# Altium PCB RPlan_LB.PcbDoc (part 2 of 5)
Units mm, origin at the board's own origin, x right, y up, seen from the top; angles counter-clockwise.
Board outline 152.4 x 101.6 mm, 2 copper layers (Top Layer, Bottom Layer); 94 components, 100 nets, 537 pads, 95 vias.
Unrouted connection lines stored in the file: 138.
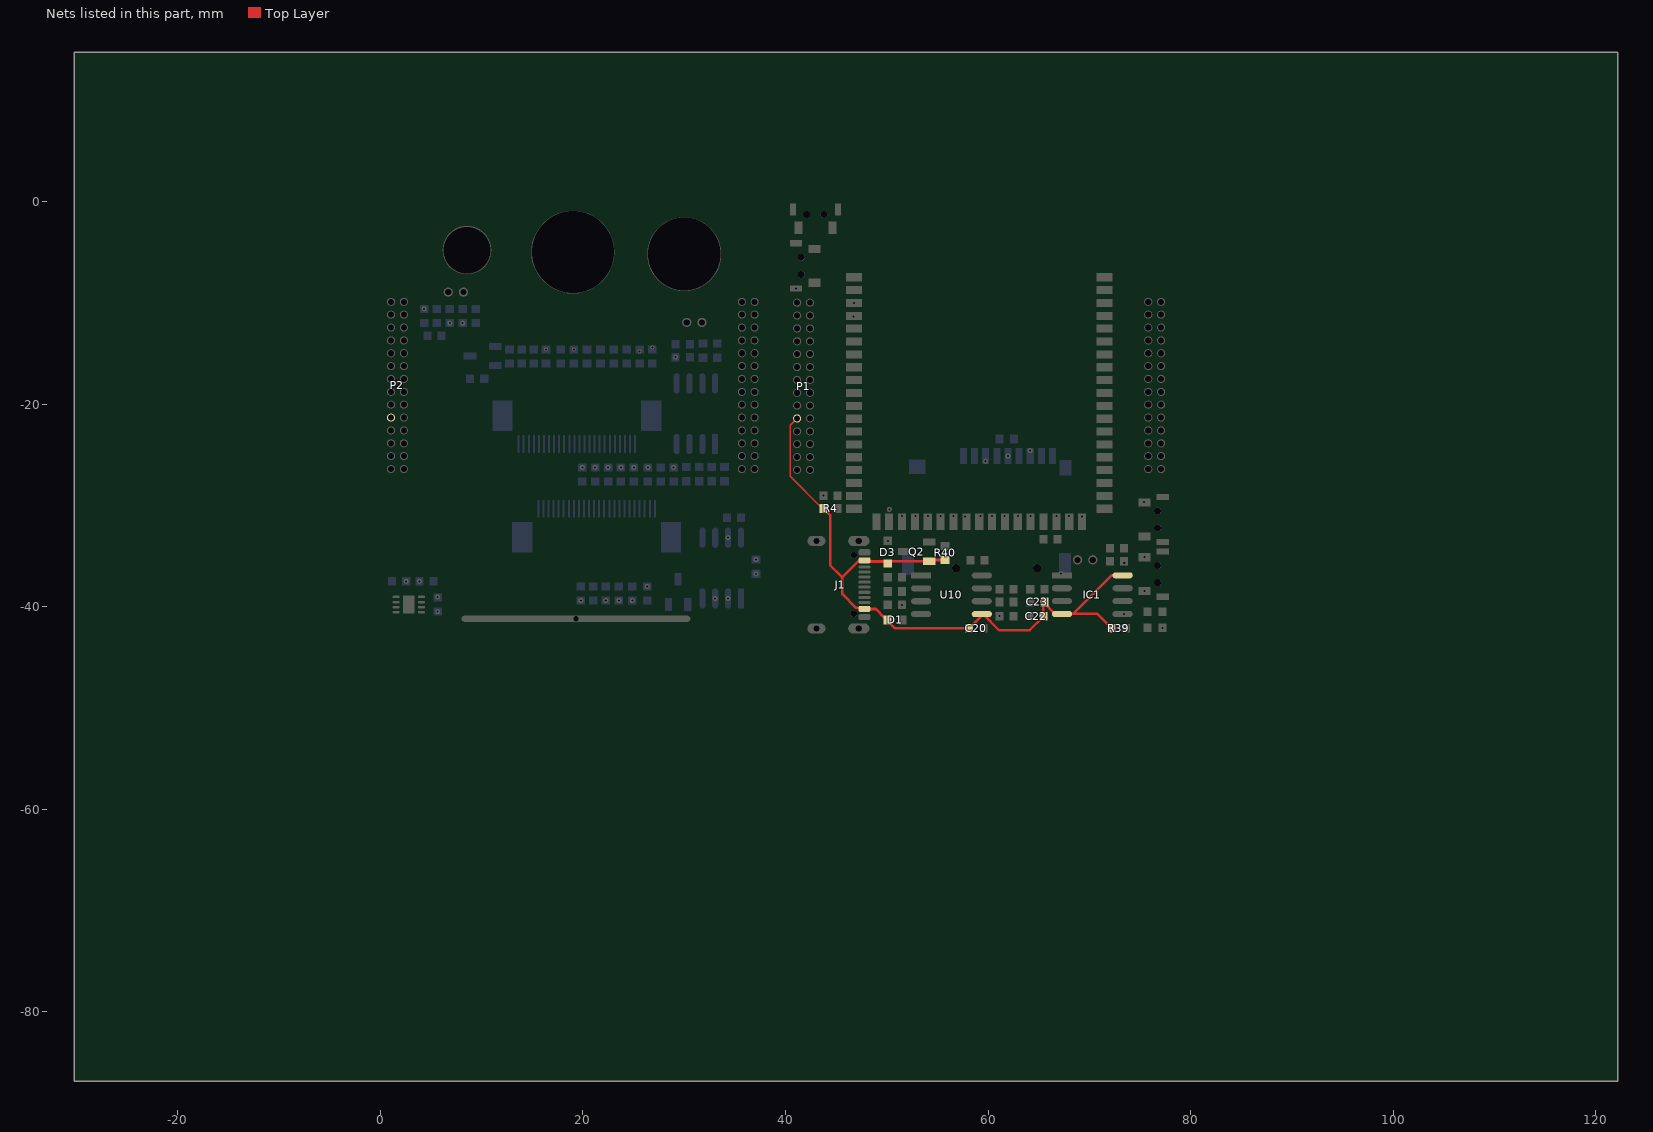
[diagram p2: the nets of this part, all layers, seen from the top]

## Via types
v1: diameter 0.5, hole 0.3, Top Layer to Bottom Layer, 70 vias
v2: diameter 0.4, hole 0.2, Top Layer to Bottom Layer, 25 vias

## Nets (pads, with @x,y where several pads share a name; then routed paths per layer and width w, separated by ;. In a path a pad name is that pad's centre, name@x,y a point inside that pad or via, vN(x,y) a via of type N, cw(c..) or ccw(c..) an arc to the next point about the centre after c; other vN are vias at no path point) (continued)
VUSB: C20.1 C22.2 C23.1 D1.1 D3.1 IC1.4 IC1.8 J1.A4 J1.B4 P1.10 P2.19 Q2.1 R4.2 R39.2 R40.2 U10.5 | length 70.3
  Top Layer w0.18: P1.10@41.148,-21.424 40.472,-22.1 40.472,-27.15 R4.2@43.634,-30.312
  Top Layer w0.254: R4.2@43.634,-30.312 R4.2@43.75,-30.312 44.4,-30.962 44.4,-35.918 45.562,-37.08 ; 45.599,-37.117 47.28,-35.436 J1.A4@47.801,-35.436 47.914,-35.549 49.904,-35.549 D3.1@50.1,-35.745 50.321,-35.524 Q2.1@54.209,-35.524 54.334,-35.399 R40.2@55.753,-35.399 ; 45.622,-37.178 45.622,-38.772 46.974,-40.124 47.689,-40.124 J1.B4@47.801,-40.236 48.914,-40.236 49.785,-41.107 50.1,-41.107 50.1,-41.436 50.82,-42.156 58.355,-42.156 58.355,-41.911 59.385,-40.88 U10.5@59.385,-40.741 59.491,-40.741 61.086,-42.336 64.101,-42.336 C22.2@65.47,-40.967 65.47,-39.564 66.632,-40.726 IC1.4@67.296,-40.726 68.393,-40.726 ; R39.2@72.198,-41.818 R39.2@72.198,-42.123 70.801,-40.726 68.393,-40.726 ; IC1.8@73.29,-36.916 72.203,-36.916 68.393,-40.726
pads on no net: J1.0 J1.A5 J1.A8 J1.B5 J1.B8 R18.1 TF1.1 TF1.2 TF1.8 TF1.9 TF1.NC U3.3 U3.6 U3.9 U4.1 U4.2 U4.24 U5.13 U5.14 U5.15 U5.16 U5.17 U5.18 U5.19 U5.20 U5.21 U5.22 U7.0 U8.0 U9.0 U10.4 U11.0
copper on no net: | length 3263.5
  Top Layer w0.025: 0.36,-2.926 0.487,-2.926 ; 0.36,-2.901 0.487,-2.901 ; 0.36,-2.875 0.487,-2.875 ; 0.36,-2.825 0.487,-2.825 ; 0.36,-2.799 0.487,-2.799 ; 0.36,-2.774 0.487,-2.774 ; 0.36,-2.748 0.487,-2.748 ; 0.36,-2.723 0.487,-2.723 ; 0.36,-2.698 0.487,-2.698 ; 0.36,-2.672 0.487,-2.672 ; 0.36,-2.647 0.487,-2.647 ; 0.36,-2.621 0.487,-2.621 ; 0.36,-2.596 0.487,-2.596 ; 0.36,-2.571 0.487,-2.571 ; 0.385,-3.104 0.487,-3.104 ; 0.385,-3.079 0.487,-3.079 ; 0.385,-3.053 0.487,-3.053 ; 0.385,-3.028 0.487,-3.028 ; 0.385,-3.002 0.487,-3.002 ; 0.385,-2.977 0.487,-2.977 ; 0.385,-2.952 0.487,-2.952 ; 0.385,-2.85 0.487,-2.85 ; 0.385,-2.545 0.487,-2.545 ; 0.385,-2.52 0.487,-2.52 ; 0.385,-2.494 0.487,-2.494 ; 0.41,-3.206 0.487,-3.206 ; 0.41,-3.18 0.487,-3.18 ; 0.41,-3.155 0.487,-3.155 ; 0.41,-3.129 0.487,-3.129 ; 0.41,-2.469 0.487,-2.469 ; 0.41,-2.444 0.512,-2.444 ; 0.436,-3.46 0.537,-3.46 ; 0.436,-3.434 0.537,-3.434 ; 0.436,-3.409 0.537,-3.409 ; 0.436,-3.383 0.537,-3.383 ; 0.436,-3.358 0.537,-3.358 ; 0.436,-3.333 0.512,-3.333 ; 0.436,-3.307 0.512,-3.307 ; 0.436,-3.282 0.512,-3.282 ; 0.436,-3.256 0.512,-3.256 ; 0.436,-3.231 0.487,-3.231 ; 0.436,-2.418 0.512,-2.418 ; 0.436,-2.393 0.537,-2.393 ; 0.436,-2.367 0.537,-2.367 ; 0.461,-3.51 0.537,-3.51 ; 0.461,-3.485 0.537,-3.485 ; 0.487,-3.688 0.588,-3.688 ; 0.487,-3.663 0.588,-3.663 ; 0.487,-3.637 0.588,-3.637 ; 0.487,-3.612 0.563,-3.612 ; 0.487,-3.587 0.563,-3.587 ; 0.487,-3.561 0.563,-3.561 ; 0.487,-3.536 0.537,-3.536 ; 0.487,-2.342 0.664,-2.342 ; 0.487,-2.317 0.69,-2.317 ; 0.512,-3.714 0.588,-3.714 ; 0.512,-2.291 0.715,-2.291 ; 0.537,-3.841 0.639,-3.841 ; 0.537,-3.815 0.639,-3.815 ; 0.537,-3.79 0.639,-3.79 ; 0.537,-3.764 0.614,-3.764 ; 0.537,-3.739 0.588,-3.739 ; 0.537,-2.266 0.715,-2.266 ; 0.537,-2.24 0.715,-2.24 ; 0.563,-3.891 0.664,-3.891 ; 0.563,-3.866 0.639,-3.866 ; 0.563,-2.215 0.715,-2.215 ; 0.563,-2.19 0.715,-2.19 ; 0.588,-3.968 0.715,-3.968 ; 0.588,-3.942 0.715,-3.942 ; 0.588,-3.917 0.69,-3.917 ; 0.588,-2.469 0.715,-2.469 ; 0.588,-2.444 0.715,-2.444 ; 0.588,-2.418 0.69,-2.418 ; 0.588,-2.393 0.69,-2.393 ; 0.588,-2.367 0.664,-2.367 ; 0.588,-2.164 0.715,-2.164 ; 0.588,-2.139 0.715,-2.139 ; 0.588,-2.113 0.715,-2.113 ; 0.588,-2.088 0.715,-2.088 ; 0.588,-2.063 0.766,-2.063 ; 0.588,-2.037 0.766,-2.037 ; 0.614,-2.52 0.741,-2.52 ; 0.614,-2.494 0.715,-2.494 ; 0.614,-1.859 0.766,-1.859 ; 0.639,-4.044 0.766,-4.044 ; 0.639,-4.018 0.741,-4.018 ; 0.639,-3.993 0.741,-3.993 ; 0.639,-2.571 0.893,-2.571 ; 0.639,-2.545 0.766,-2.545 ; 0.639,-2.012 0.766,-2.012 ; 0.639,-1.986 0.766,-1.986 ; 0.639,-1.961 0.766,-1.961 ; 0.639,-1.936 0.766,-1.936 ; 0.639,-1.91 0.766,-1.91 ; 0.639,-1.885 0.741,-1.885 ; 0.639,-1.834 0.791,-1.834 ; 0.639,-1.809 0.817,-1.809 ; 0.639,-1.783 0.817,-1.783 ; 0.664,-4.069 0.766,-4.069 ; 0.664,-1.758 0.842,-1.758 ; 0.69,-4.095 0.791,-4.095 ; 0.69,-2.596 0.868,-2.596 ; 0.715,-4.171 0.817,-4.171 ; 0.715,-4.145 0.817,-4.145 ; 0.715,-4.12 0.817,-4.12 ; 0.715,-2.621 0.868,-2.621 ; 0.741,-4.196 0.817,-4.196 ; 0.766,-4.247 0.868,-4.247 ; 0.766,-4.222 0.868,-4.222 ; 0.766,-2.647 0.995,-2.647 ; 0.766,-1.732 0.868,-1.732 ; 0.766,-1.707 1.172,-1.707 ; 0.766,-1.682 0.969,-1.682 ; 0.766,-1.656 0.944,-1.656 ; 0.791,-2.672 1.071,-2.672 ; 0.791,-1.631 0.944,-1.631 ; 0.817,-4.298 0.944,-4.298 ; 0.817,-4.272 0.918,-4.272 ; 0.817,-2.545 0.918,-2.545 ; 0.817,-2.52 0.995,-2.52 ; 0.817,-2.494 1.02,-2.494 ; 0.817,-2.469 1.02,-2.469 ; 0.817,-2.012 0.918,-2.012 ; 0.817,-1.986 0.918,-1.986 ; 0.817,-1.961 0.918,-1.961 ; 0.817,-1.936 0.944,-1.936 ; 0.817,-1.91 0.969,-1.91 ; 0.817,-1.605 0.944,-1.605 ; 0.817,-1.58 0.944,-1.58 ; 0.842,-4.323 0.969,-4.323 ; 0.842,-2.444 1.02,-2.444 ; 0.842,-2.037 0.918,-2.037 ; 0.842,-1.885 0.995,-1.885 ; 0.842,-1.859 0.995,-1.859 ; 0.842,-1.555 1.045,-1.555 ; 0.868,-4.349 0.995,-4.349 ; 0.868,-2.698 1.299,-2.698 ; 0.868,-2.418 1.02,-2.418 ; 0.868,-2.063 0.918,-2.063 ; 0.868,-1.834 0.995,-1.834 ; 0.868,-1.529 1.071,-1.529 ; 0.868,-1.504 1.096,-1.504 ; 0.893,-4.399 1.045,-4.399 ; 0.893,-4.374 1.02,-4.374 ; 0.893,-1.809 0.995,-1.809 ; 0.918,-4.425 1.071,-4.425 ; 0.918,-2.723 1.325,-2.723 ; 0.918,-2.393 1.045,-2.393 ; 0.918,-2.367 1.045,-2.367 ; 0.918,-2.342 1.096,-2.342 ; 0.918,-1.783 1.147,-1.783 ; 0.918,-1.758 1.147,-1.758 ; 0.918,-1.732 1.147,-1.732 ; 0.918,-1.478 1.096,-1.478 ; 0.944,-2.317 1.096,-2.317 ; 0.969,-4.45 1.096,-4.45 ; 0.969,-2.291 1.096,-2.291 ; 0.969,-1.453 1.122,-1.453 ; 0.995,-4.476 1.096,-4.476 ; 0.995,-2.266 1.096,-2.266 ; 0.995,-1.428 1.147,-1.428 ; 1.02,-4.501 1.147,-4.501 ; 1.02,-1.402 1.274,-1.402 ; 1.045,-4.526 1.147,-4.526 ; 1.045,-1.682 1.198,-1.682 ; 1.045,-1.377 1.274,-1.377 ; 1.045,-1.351 1.274,-1.351 ; 1.071,-2.748 1.604,-2.748 ; 1.071,-1.656 1.223,-1.656 ; 1.096,-4.577 1.274,-4.577 ; 1.096,-4.552 1.249,-4.552 ; 1.096,-1.809 1.147,-1.809 ; 1.096,-1.631 1.223,-1.631 ; 1.096,-1.326 1.274,-1.326 ; 1.122,-2.774 1.731,-2.774 ; 1.122,-1.605 1.223,-1.605 ; 1.122,-1.58 1.249,-1.58 ; 1.122,-1.301 1.274,-1.301 ; 1.147,-4.603 1.325,-4.603 ; 1.147,-1.555 1.274,-1.555 ; 1.147,-1.529 1.274,-1.529 ; 1.147,-1.504 1.376,-1.504 ; 1.147,-1.275 1.299,-1.275 ; 1.172,-4.628 1.35,-4.628 ; 1.172,-2.799 1.858,-2.799 ; 1.172,-1.478 1.376,-1.478 ; 1.172,-1.25 1.325,-1.25 ; 1.198,-1.224 1.553,-1.224 ; 1.223,-1.199 1.553,-1.199 ; 1.249,-4.653 1.426,-4.653 ; 1.249,-1.453 1.477,-1.453 ; 1.249,-1.174 1.706,-1.174 ; 1.274,-4.679 1.426,-4.679 ; 1.274,-2.012 1.401,-2.012 ; 1.274,-1.986 1.426,-1.986 ; 1.274,-1.961 1.426,-1.961 ; 1.274,-1.936 1.452,-1.936 ; 1.274,-1.428 1.477,-1.428 ; 1.274,-1.148 1.706,-1.148 ; 1.299,-4.704 1.477,-4.704 ; 1.299,-2.037 1.376,-2.037 ; 1.299,-1.91 1.426,-1.91 ; 1.325,-2.063 1.376,-2.063 ; 1.325,-1.885 1.426,-1.885 ; 1.325,-1.859 1.426,-1.859 ; 1.325,-1.402 1.477,-1.402 ; 1.325,-1.377 1.477,-1.377 ; 1.35,-4.73 1.579,-4.73 ; 1.376,-4.755 1.604,-4.755 ; 1.376,-1.834 1.553,-1.834 ; 1.376,-1.809 1.579,-1.809 ; 1.376,-1.351 1.452,-1.351 ; 1.401,-2.825 2.341,-2.825 ; 1.401,-1.783 1.604,-1.783 ; 1.426,-1.758 1.604,-1.758 ; 1.426,-1.25 1.528,-1.25 ; 1.452,-2.85 2.417,-2.85 ; 1.452,-1.275 1.477,-1.275 ; 1.477,-4.78 1.731,-4.78 ; 1.477,-1.732 1.63,-1.732 ; 1.477,-1.123 1.731,-1.123 ; 1.477,-1.097 1.757,-1.097 ; 1.503,-4.806 1.757,-4.806 ; 1.503,-1.707 1.655,-1.707 ; 1.528,-1.682 1.655,-1.682 ; 1.528,-1.072 1.782,-1.072 ; 1.553,-1.656 1.655,-1.656 ; 1.579,-4.907 1.655,-4.907 ; 1.579,-4.882 1.655,-4.882 ; 1.579,-4.831 1.96,-4.831 ; 1.579,-1.631 1.63,-1.631 ; 1.604,-5.034 1.706,-5.034 ; 1.604,-5.009 1.706,-5.009 ; 1.604,-4.984 1.706,-4.984 ; 1.604,-4.958 1.68,-4.958 ; 1.604,-4.933 1.655,-4.933 ; 1.604,-4.857 2.061,-4.857 ; 1.604,-2.444 1.655,-2.444 ; 1.604,-2.418 1.655,-2.418 ; 1.604,-2.393 1.655,-2.393 ; 1.604,-2.367 1.68,-2.367 ; 1.604,-2.342 1.807,-2.342 ; 1.604,-2.317 1.807,-2.317 ; 1.604,-1.504 1.706,-1.504 ; 1.604,-1.478 1.706,-1.478 ; 1.604,-1.453 1.807,-1.453 ; 1.604,-1.428 1.833,-1.428 ; 1.63,-2.291 1.833,-2.291 ; 1.63,-1.402 1.833,-1.402 ; 1.63,-1.047 2.011,-1.047 ; 1.655,-5.085 1.782,-5.085 ; 1.655,-5.06 1.757,-5.06 ; 1.655,-2.266 1.833,-2.266 ; 1.655,-1.377 1.833,-1.377 ; 1.655,-1.021 2.036,-1.021 ; 1.68,-2.24 1.833,-2.24 ; 1.68,-1.351 1.833,-1.351 ; 1.706,-5.136 1.884,-5.136 ; 1.706,-5.111 1.858,-5.111 ; 1.706,-2.215 1.833,-2.215 ; 1.706,-2.19 1.833,-2.19 ; 1.706,-2.164 1.858,-2.164 ; 1.706,-1.326 1.833,-1.326 ; 1.706,-1.301 1.858,-1.301 ; 1.706,-0.996 2.061,-0.996 ; 1.731,-2.139 1.884,-2.139 ; 1.731,-0.97 2.087,-0.97 ; 1.757,-5.161 1.985,-5.161 ; 1.757,-2.113 1.884,-2.113 ; 1.757,-1.275 1.909,-1.275 ; 1.782,-5.187 2.061,-5.187 ; 1.782,-2.875 3.763,-2.875 ; 1.782,-2.088 1.884,-2.088 ; 1.782,-1.25 1.909,-1.25 ; 1.807,-4.882 3.408,-4.882 ; 1.858,-4.907 3.357,-4.907 ; 1.884,-5.212 2.239,-5.212 ; 1.909,-5.238 2.29,-5.238 ; 1.909,-1.072 2.011,-1.072 ; 1.934,-5.263 2.442,-5.263 ; 1.934,-1.097 1.985,-1.097 ; 1.985,-0.945 2.29,-0.945 ; 2.011,-2.901 3.585,-2.901 ; 2.011,-0.92 3.103,-0.92 ; 2.061,-0.894 2.874,-0.894 ; 2.087,-5.288 3.306,-5.288 ; 2.087,-0.869 2.112,-0.869 ; 2.112,-4.933 3.128,-4.933 ; 2.112,-0.97 2.239,-0.97 ; 2.138,-5.314 3.255,-5.314 ; 2.138,-0.996 2.214,-0.996 ; 2.163,-4.958 3.027,-4.958 ; 2.188,-0.869 2.671,-0.869 ; 2.29,-0.843 2.315,-0.843 ; 2.315,-4.984 2.849,-4.984 ; 2.315,-0.945 2.519,-0.945 ; 2.366,-0.97 2.442,-0.97 ; 2.392,-0.996 2.442,-0.996 ; 2.519,-0.843 2.544,-0.843 ; 2.544,-0.945 3.128,-0.945 ; 2.595,-5.339 2.823,-5.339 ; 2.62,-0.97 2.773,-0.97 ; 2.646,-0.996 2.722,-0.996 ; 2.747,-0.869 2.823,-0.869 ; 2.823,-0.97 3.382,-0.97 ; 2.849,-0.996 3.662,-0.996 ; 2.874,-4.984 2.925,-4.984 ; 2.874,-1.021 2.976,-1.021 ; 2.9,-1.047 2.95,-1.047 ; 2.976,-5.263 3.433,-5.263 ; 3.052,-1.021 3.712,-1.021 ; 3.077,-5.238 3.484,-5.238 ; 3.103,-1.047 3.204,-1.047 ; 3.154,-2.85 4.017,-2.85 ; 3.179,-5.212 3.509,-5.212 ; 3.179,-4.857 3.611,-4.857 ; 3.204,-0.945 3.255,-0.945 ; 3.255,-4.831 3.636,-4.831 ; 3.281,-1.047 3.738,-1.047 ; 3.306,-2.825 4.068,-2.825 ; 3.306,-1.072 3.484,-1.072 ; 3.331,-1.123 3.458,-1.123 ; 3.331,-1.097 3.458,-1.097 ; 3.357,-5.187 3.585,-5.187 ; 3.382,-5.161 3.611,-5.161 ; 3.382,-1.148 3.433,-1.148 ; 3.458,-0.97 3.611,-0.97 ; 3.484,-4.806 3.839,-4.806 ; 3.509,-5.136 3.662,-5.136 ; 3.509,-4.78 3.839,-4.78 ; 3.535,-5.111 3.687,-5.111 ; 3.585,-1.072 3.89,-1.072 ; 3.611,-5.085 3.738,-5.085 ; 3.611,-5.06 3.763,-5.06 ; 3.611,-1.123 3.941,-1.123 ; 3.611,-1.097 3.916,-1.097 ; 3.636,-1.148 3.941,-1.148 ; 3.662,-5.034 3.789,-5.034 ; 3.662,-4.755 3.916,-4.755 ; 3.662,-1.174 3.763,-1.174 ; 3.687,-5.009 3.789,-5.009 ; 3.712,-4.984 3.814,-4.984 ; 3.712,-4.73 3.941,-4.73 ; 3.712,-2.799 4.195,-2.799 ; 3.738,-4.958 3.814,-4.958 ; 3.738,-4.933 3.839,-4.933 ; 3.738,-4.907 3.839,-4.907 ; 3.763,-4.882 3.839,-4.882 ; 3.763,-4.857 3.839,-4.857 ; 3.763,-4.831 3.839,-4.831 ; 3.789,-2.317 3.941,-2.317 ; 3.789,-2.291 3.941,-2.291 ; 3.789,-2.266 3.916,-2.266 ; 3.814,-4.704 4.043,-4.704 ; 3.814,-2.774 4.271,-2.774 ; 3.814,-2.342 3.966,-2.342 ; 3.839,-4.679 4.068,-4.679 ; 3.839,-2.444 4.068,-2.444 ; 3.839,-2.418 4.043,-2.418 ; 3.839,-2.393 4.017,-2.393 ; 3.839,-2.367 3.992,-2.367 ; 3.839,-1.224 4.068,-1.224 ; 3.839,-1.199 4.043,-1.199 ; 3.839,-1.174 3.966,-1.174 ; 3.865,-4.653 4.093,-4.653 ; 3.89,-2.748 4.347,-2.748 ; 3.89,-1.25 4.068,-1.25 ; 3.916,-2.469 4.068,-2.469 ; 3.941,-4.628 4.17,-4.628 ; 3.941,-2.545 4.068,-2.545 ; 3.941,-2.52 4.068,-2.52 ; 3.941,-2.494 4.068,-2.494 ; 3.941,-1.301 4.246,-1.301 ; 3.941,-1.275 4.144,-1.275 ; 3.966,-2.571 4.068,-2.571 ; 3.966,-1.377 4.093,-1.377 ; 3.966,-1.351 4.474,-1.351 ; 3.966,-1.326 4.297,-1.326 ; 3.992,-4.603 4.17,-4.603 ; 3.992,-1.402 4.068,-1.402 ; 4.068,-4.577 4.246,-4.577 ; 4.093,-4.552 4.271,-4.552 ; 4.119,-2.723 4.474,-2.723 ; 4.119,-2.012 4.297,-2.012 ; 4.119,-1.986 4.297,-1.986 ; 4.119,-1.961 4.246,-1.961 ; 4.119,-1.732 4.398,-1.732 ; 4.119,-1.707 4.373,-1.707 ; 4.119,-1.377 4.5,-1.377 ; 4.144,-2.698 4.5,-2.698 ; 4.144,-1.936 4.22,-1.936 ; 4.17,-4.526 4.347,-4.526 ; 4.17,-4.501 4.347,-4.501 ; 4.17,-1.682 4.347,-1.682 ; 4.17,-1.656 4.322,-1.656 ; 4.17,-1.428 4.5,-1.428 ; 4.17,-1.402 4.5,-1.402 ; 4.195,-1.631 4.271,-1.631 ; 4.195,-1.453 4.347,-1.453 ; 4.22,-2.113 4.398,-2.113 ; 4.22,-2.088 4.398,-2.088 ; 4.22,-2.063 4.347,-2.063 ; 4.22,-2.037 4.322,-2.037 ; 4.22,-1.478 4.297,-1.478 ; 4.246,-4.476 4.398,-4.476 ; 4.246,-1.504 4.271,-1.504 ; 4.297,-4.45 4.424,-4.45 ; 4.297,-2.19 4.424,-2.19 ; 4.297,-2.164 4.398,-2.164 ; 4.297,-2.139 4.398,-2.139 ; 4.297,-1.758 4.398,-1.758 ; 4.322,-4.425 4.449,-4.425 ; 4.322,-2.672 4.627,-2.672 ; 4.322,-2.24 4.449,-2.24 ; 4.322,-2.215 4.449,-2.215 ; 4.322,-1.809 4.424,-1.809 ; 4.322,-1.783 4.398,-1.783 ; 4.347,-4.399 4.474,-4.399 ; 4.347,-2.266 4.474,-2.266 ; 4.347,-1.885 4.5,-1.885 ; 4.347,-1.859 4.5,-1.859 ; 4.347,-1.834 4.449,-1.834 ; 4.347,-1.326 4.449,-1.326 ; 4.373,-4.374 4.5,-4.374 ; 4.373,-2.291 4.474,-2.291 ; 4.398,-4.349 4.551,-4.349 ; 4.398,-2.647 4.678,-2.647 ; 4.398,-2.342 4.474,-2.342 ; 4.398,-2.317 4.5,-2.317 ; 4.398,-1.453 4.525,-1.453 ; 4.424,-4.323 4.576,-4.323 ; 4.424,-1.91 4.525,-1.91 ; 4.424,-1.504 4.627,-1.504 ; 4.424,-1.478 4.576,-1.478 ; 4.449,-4.298 4.601,-4.298 ; 4.449,-2.012 4.5,-2.012 ; 4.449,-1.986 4.525,-1.986 ; 4.449,-1.961 4.525,-1.961 ; 4.449,-1.936 4.525,-1.936 ; 4.449,-1.555 4.652,-1.555 ; 4.449,-1.529 4.627,-1.529 ; 4.474,-4.272 4.627,-4.272 ; 4.525,-4.247 4.652,-4.247 ; 4.525,-2.621 4.779,-2.621 ; 4.525,-1.58 4.678,-1.58 ; 4.551,-4.222 4.678,-4.222 ; 4.551,-2.596 4.805,-2.596 ; 4.551,-1.605 4.678,-1.605 ; 4.576,-4.196 4.678,-4.196 ; 4.576,-1.732 4.805,-1.732 ; 4.576,-1.707 4.779,-1.707 ; 4.576,-1.682 4.728,-1.682 ; 4.576,-1.656 4.703,-1.656 ; 4.576,-1.631 4.703,-1.631 ; 4.601,-4.171 4.703,-4.171 ; 4.627,-4.145 4.728,-4.145 ; 4.627,-4.12 4.728,-4.12 ; 4.652,-4.095 4.754,-4.095 ; 4.652,-2.571 4.881,-2.571 ; 4.652,-1.758 4.83,-1.758 ; 4.678,-4.069 4.779,-4.069 ; 4.678,-4.044 4.805,-4.044 ; 4.678,-2.545 4.906,-2.545 ; 4.678,-1.783 4.855,-1.783 ; 4.703,-1.961 4.957,-1.961 ; 4.703,-1.936 4.957,-1.936 ; 4.703,-1.91 4.932,-1.91 ; 4.728,-4.018 4.83,-4.018 ; 4.728,-3.993 4.855,-3.993 ; 4.728,-1.986 4.957,-1.986 ; 4.728,-1.885 4.906,-1.885 ; 4.728,-1.859 4.906,-1.859 ; 4.728,-1.834 4.855,-1.834 ; 4.728,-1.809 4.855,-1.809 ; 4.754,-3.968 4.855,-3.968 ; 4.754,-3.942 4.855,-3.942 ; 4.754,-2.52 4.932,-2.52 ; 4.754,-2.012 4.779,-2.012 ; 4.779,-3.917 4.906,-3.917 ; 4.779,-2.494 4.957,-2.494 ; 4.805,-3.891 4.906,-3.891 ; 4.805,-2.469 4.982,-2.469 ; 4.83,-3.866 4.906,-3.866 ; 4.83,-2.012 4.957,-2.012 ; 4.855,-3.841 4.932,-3.841 ; 4.855,-3.815 4.957,-3.815 ; 4.855,-3.79 4.957,-3.79 ; 4.855,-3.764 4.957,-3.764 ; 4.855,-2.444 5.008,-2.444 ; 4.855,-2.164 5.033,-2.164 ; 4.855,-2.139 5.008,-2.139 ; 4.855,-2.113 5.008,-2.113 ; 4.855,-2.088 5.008,-2.088 ; 4.855,-2.037 4.982,-2.037 ; 4.881,-3.739 4.957,-3.739 ; 4.881,-2.418 5.008,-2.418 ; 4.881,-2.19 5.059,-2.19 ; 4.881,-2.063 5.008,-2.063 ; 4.906,-3.714 4.982,-3.714 ; 4.906,-3.688 5.008,-3.688 ; 4.906,-3.663 5.008,-3.663 ; 4.906,-2.393 5.008,-2.393 ; 4.906,-2.367 5.135,-2.367 ; 4.906,-2.215 5.059,-2.215 ; 4.932,-3.637 5.008,-3.637 ; 4.932,-3.612 5.008,-3.612 ; 4.932,-2.24 5.084,-2.24 ; 4.957,-3.587 5.033,-3.587 ; 4.957,-3.561 5.033,-3.561 ; 4.957,-3.536 5.059,-3.536 ; 4.957,-3.51 5.059,-3.51 ; 4.957,-3.485 5.059,-3.485 ; 4.957,-2.342 5.135,-2.342 ; 4.957,-2.317 5.135,-2.317 ; 4.957,-2.291 5.135,-2.291 ; 4.957,-2.266 5.109,-2.266 ; 4.982,-3.46 5.059,-3.46 ; 4.982,-3.434 5.059,-3.434 ; 5.008,-3.409 5.084,-3.409 ; 5.008,-3.383 5.084,-3.383 ; 5.008,-3.358 5.109,-3.358 ; 5.008,-3.333 5.109,-3.333 ; 5.008,-3.307 5.109,-3.307 ; 5.008,-3.282 5.135,-3.282 ; 5.008,-3.256 5.135,-3.256 ; 5.008,-3.231 5.135,-3.231 ; 5.033,-3.206 5.135,-3.206 ; 5.033,-3.18 5.135,-3.18 ; 5.033,-3.155 5.135,-3.155 ; 5.033,-3.129 5.135,-3.129 ; 5.033,-3.104 5.135,-3.104 ; 5.033,-3.079 5.135,-3.079 ; 5.033,-3.053 5.135,-3.053 ; 5.033,-3.028 5.135,-3.028 ; 5.033,-3.002 5.135,-3.002 ; 5.059,-2.977 5.135,-2.977 ; 5.059,-2.952 5.135,-2.952 ; 5.059,-2.926 5.16,-2.926 ; 5.059,-2.901 5.16,-2.901 ; 5.059,-2.875 5.16,-2.875 ; 5.059,-2.85 5.16,-2.85 ; 5.059,-2.825 5.16,-2.825 ; 5.059,-2.799 5.16,-2.799 ; 5.059,-2.774 5.16,-2.774 ; 5.059,-2.748 5.16,-2.748 ; 5.059,-2.723 5.16,-2.723 ; 5.059,-2.698 5.186,-2.698 ; 5.059,-2.672 5.186,-2.672 ; 5.059,-2.647 5.186,-2.647 ; 5.059,-2.621 5.186,-2.621 ; 5.059,-2.596 5.186,-2.596 ; 5.059,-2.571 5.16,-2.571 ; 5.059,-2.545 5.16,-2.545 ; 5.059,-2.52 5.16,-2.52 ; 5.059,-2.494 5.16,-2.494 ; 5.059,-2.469 5.16,-2.469 ; 5.059,-2.444 5.16,-2.444 ; 5.059,-2.418 5.16,-2.418 ; 5.059,-2.393 5.135,-2.393